# Altium PCB PROC054D_MMWCAS_RF_EVM_ASCII.PcbDoc (part 9 of 13)
Units mil, origin at the board's own origin, x right, y up, seen from the top; angles counter-clockwise.
Board outline 6299.21 x 5370.07 mil, 8 copper layers (L1 TOP, L2 GND, L3 SIGNAL 1, L4 GND, L5 SIGNAL 2, L6 SIGNAL 3, L7 GND, L8 BOTTOM), stack 53.5 mil thick; 775 components, 552 nets, 2648 pads, 7845 vias.
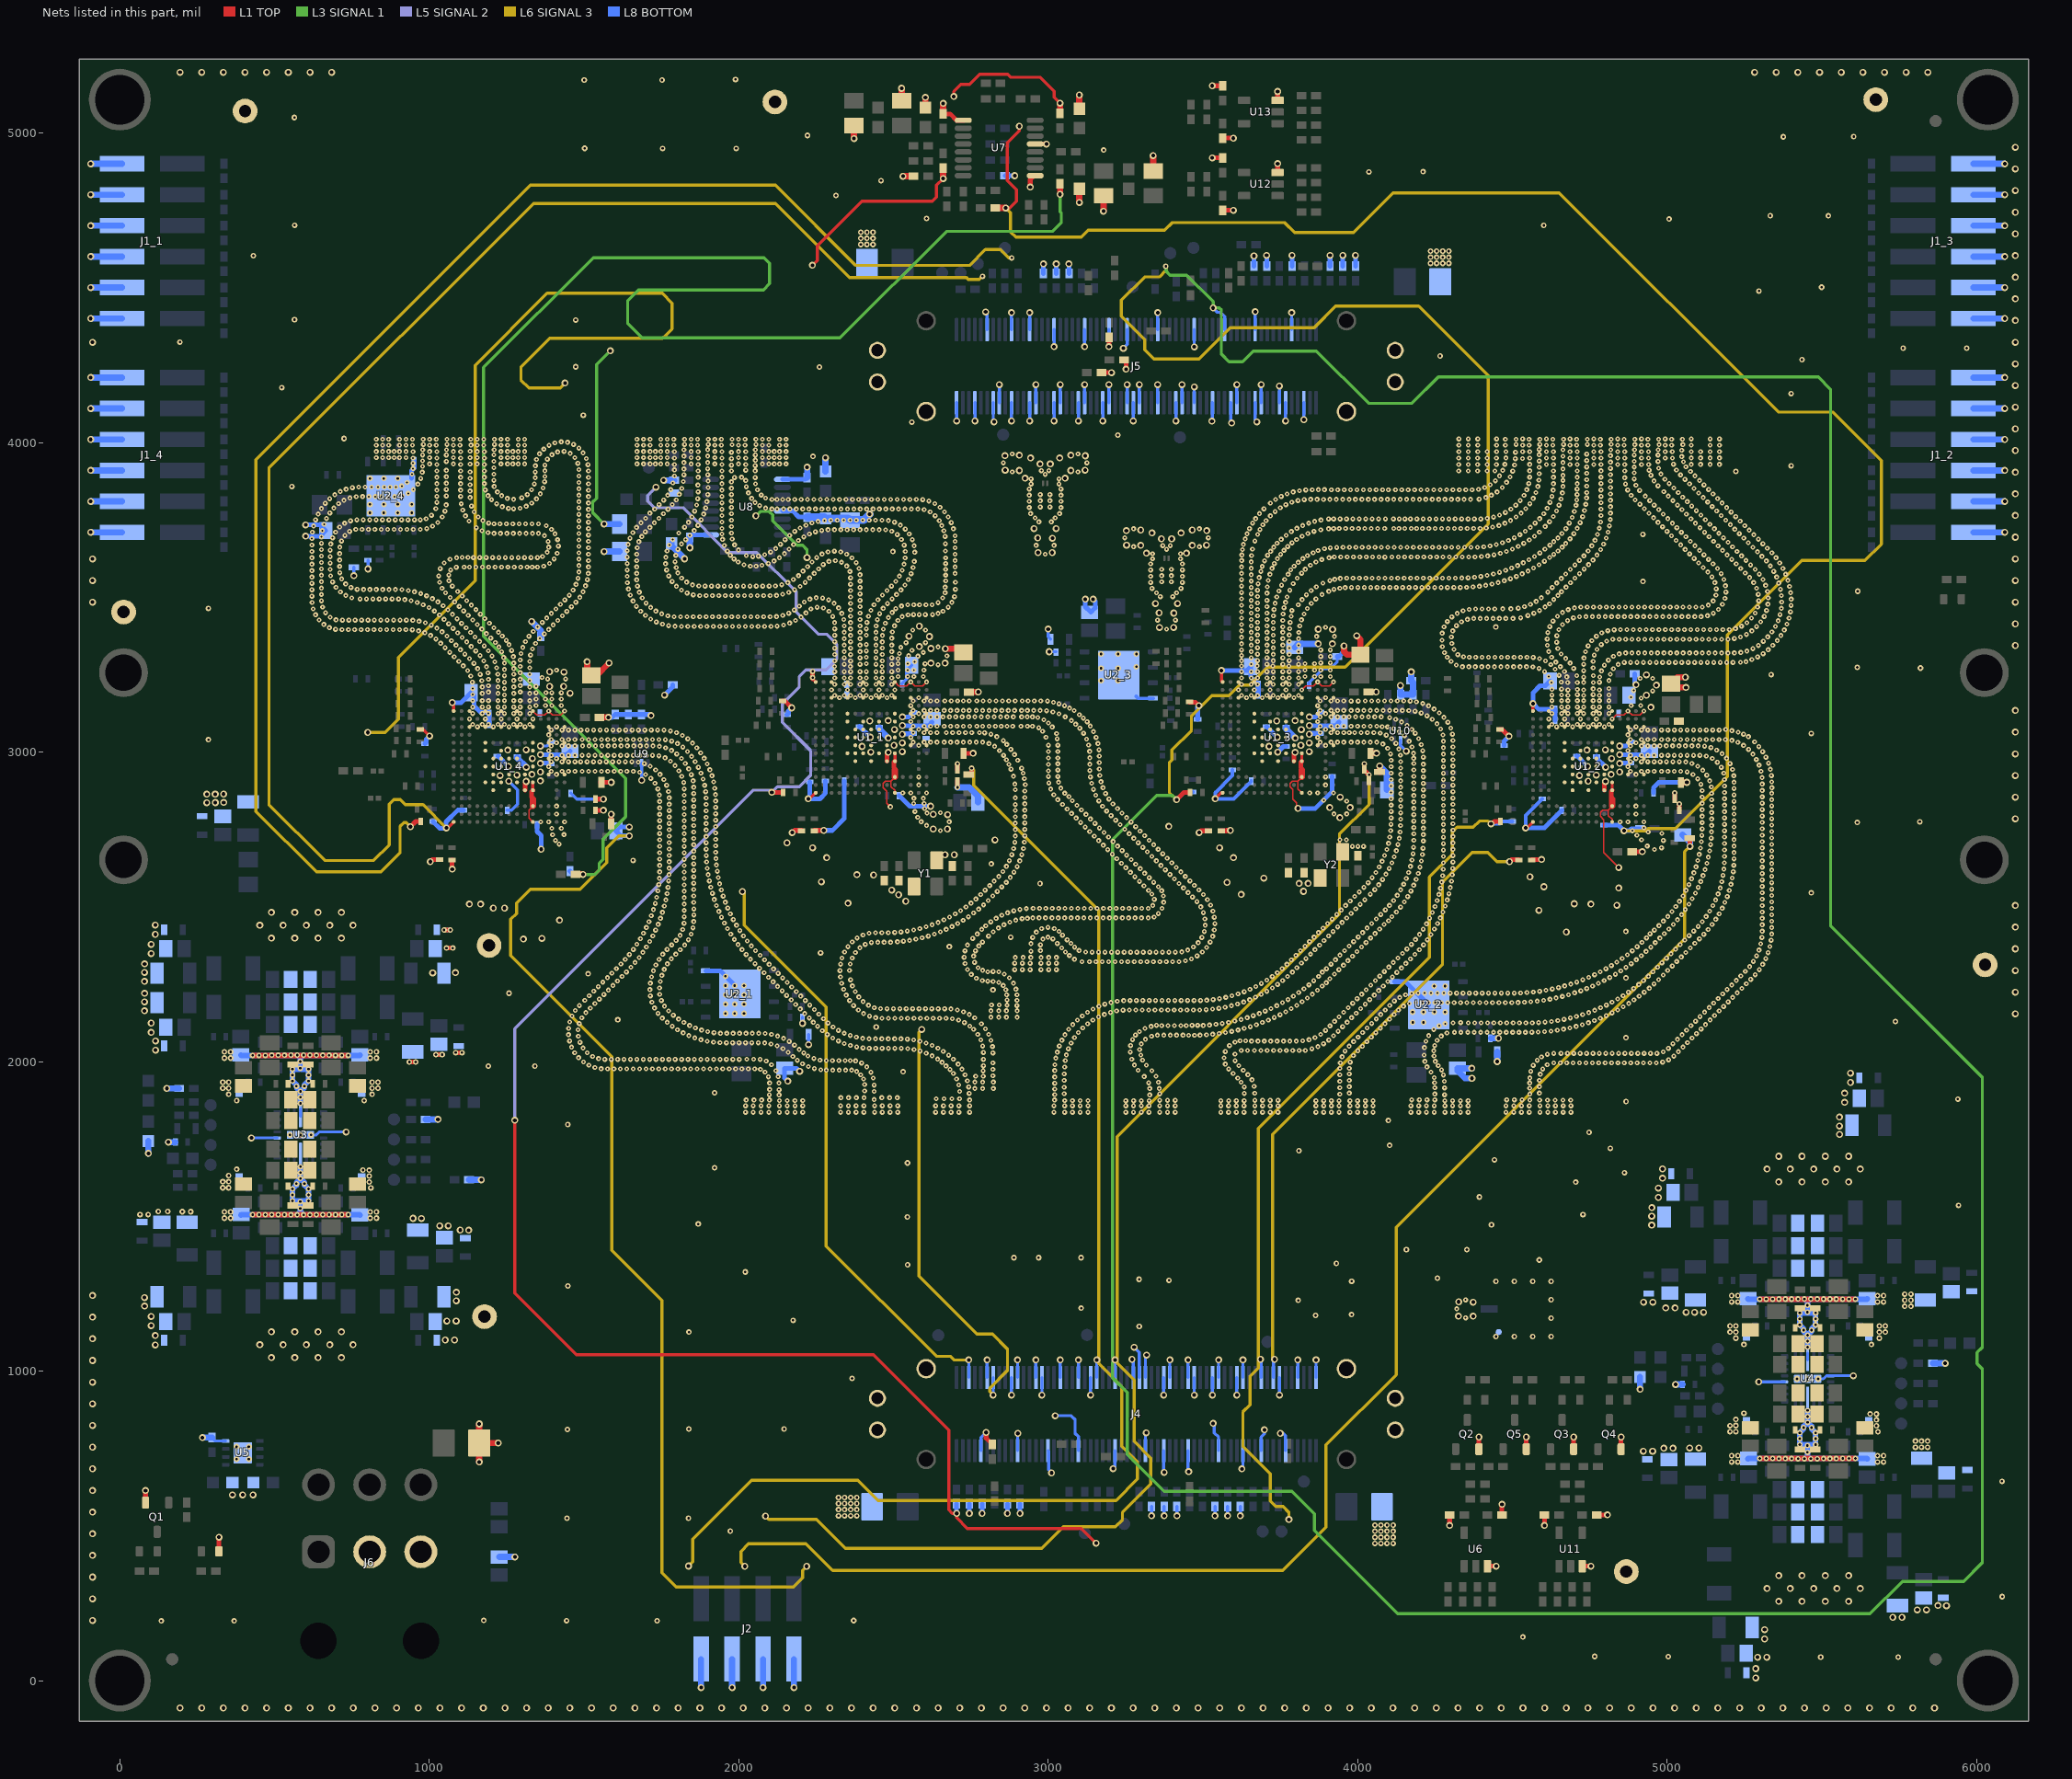
[diagram p15: the nets of this part, all layers, seen from the top]

## Via types
v1: diameter 15.74, hole 5.9, L1 TOP to L2 GND, tented both sides, 5522 vias
v2: diameter 22.4, hole 12.2, L1 TOP to L8 BOTTOM, tented both sides, 1522 vias
v3: diameter 18, hole 8, L1 TOP to L8 BOTTOM, tented both sides, 727 vias
v4: diameter 18, hole 7.87, L1 TOP to L8 BOTTOM, tented top, 50 vias
v5: diameter 24, hole 12, L1 TOP to L8 BOTTOM, tented both sides, 13 vias
v6: diameter 19.68, hole 7.87, L1 TOP to L8 BOTTOM, tented top, 10 vias
v7: diameter 15.74, hole 5.9, L1 TOP to L2 GND, tented top, 1 vias

## Nets (pads, with @x,y where several pads share a name; then routed paths per layer and width w, separated by ;. In a path a pad name is that pad's centre, name@x,y a point inside that pad or via, vN(x,y) a via of type N, cw(c..) or ccw(c..) an arc to the next point about the centre after c; other vN are vias at no path point) (continued)
GND: (continued)
  other v1: 4302.03,3293.21 4761.3,3293.07 2361.36,3294.31 4607.12,3294.44 1176.12,3294.76 2310.19,3294.52 2463.73,3294.69 3625,3295 3727.55,3295.32 3778.73,3295.48 3676.36,3295.67 4810.13,3296.99 1293.92,3297.69 5273.94,3299.28 1129.92,3301.76 2514.91,3302.12 4588,3302.28 4672.25,3302.38 2340.87,3304.39 2392.04,3304.39 2443.23,3304.39 2494.41,3304.39 3655.87,3304.39 3707.04,3304.39 3758.23,3304.39 3809.41,3304.39 4731.5,3304.16 1240.19,3305.75 2412.55,3306.28 4360.98,3306.4 4381.65,3306.4 4402.32,3306.4 4422.99,3306.4 4443.66,3306.4 4464.33,3306.4 4485,3306.4 4505.67,3306.4 4526.34,3306.4 4547.01,3306.4 4567.67,3306.06 4627.18,3306.36 4289.5,3306.5 5292.9,3307.5 1080.42,3307.88 1271.44,3308.32 4342,3308 3881.09,3308.94 3911.77,3308.94 1202.52,3310.38 2579.46,3310.11 4826.52,3309.57 2549.28,3311.33 2672.88,3311 1164.35,3311.76 3625,3312 4764.92,3313.42 1326.93,3313.59 2310.19,3315.19 2361.36,3314.98 2463.73,3315.36 4323.73,3314.9 1115.3,3316.38 3676.36,3316.34 3727.55,3315.99 3778.73,3316.15 4657.68,3317.04 1296.54,3318.19 4845.59,3317.55 5310.67,3318.07 2519.3,3318.51 4866.07,3320.39 4886.74,3320.4 4907.41,3320.4 4928.08,3320.4 4948.75,3320.4 4969.42,3320.4 4990.09,3320.4 5010.76,3320.4 5031.43,3320.4 5052.1,3320.4 5072.77,3320.4 5093.44,3320.4 5114.11,3320.4 5134.78,3320.4 5155.45,3320.4 5176.12,3320.4 5196.79,3320.4 5217.46,3320.4 2596.3,3322.1 4280.75,3321.51 5238.08,3321.78 1065.8,3322.5 1233.97,3323.98 4736.21,3324.29 2340.87,3325.06 2392.04,3325.06 2443.23,3325.06 2494.41,3325.06 3655.87,3325.06 3707.04,3325.06 3758.23,3325.06 3809.41,3325.06 4617.8,3324.78 5258.24,3326.37 1150.09,3326.71 2412.55,3326.95 1191.01,3327.55 1266.15,3328.31 2559.91,3329.05 3625.19,3329.64 3881.09,3329.61 3911.77,3329.61 1100.69,3330.99 5326.95,3330.81 4311.43,3331.51 4773.84,3332.07 1333.33,3333.24 5277.42,3334.05 4646.86,3334.65 2310.19,3335.86 2361.36,3335.65 2463.94,3336.02 1051.18,3337.12 3676.36,3337.01 3727.55,3336.66 3778.73,3336.82 1302.22,3338.06 2523.91,3338.46 1225.21,3339.7 2644,3339.89 1135.47,3341.33 4273.84,3340.99 1177.23,3342.95 4744.67,3343.14 4613.08,3344.9 5295.17,3344.65 5341.75,3345.24 1086.07,3345.61 2340.87,3345.73 2392.04,3345.73 2443.23,3345.73 2494.41,3345.73 3655.87,3345.73 3707.04,3345.73 3758.23,3345.73 3809.41,3345.73 1257.52,3347.09 2412.55,3347.62 4787.42,3347.65 3625.19,3350.31 1343.4,3351.29 4304.52,3350.99 1036.57,3351.73 2540.8,3353.49 1213.52,3353.77 2603.43,3353.58 4643.23,3355 1120.85,3355.95 2361.36,3356.32 2463.73,3356.03 1310.81,3356.86 2310.19,3356.53 3727.55,3357.33 3778.73,3357.49 1162.61,3357.57 3676.36,3357.68 5311.03,3357.9 4804.88,3358.72 1071.45,3360.23 4756.59,3360.03 5355.82,3360.38 1249,3361 4272.55,3361.62 4824.81,3364.21 1021.15,3365.5 4845.47,3364.72 4866.14,3364.72 4886.81,3364.72 4907.48,3364.72 4928.15,3364.72 4948.82,3364.72 4969.49,3364.72 4990.16,3364.72 5010.83,3364.72 5031.5,3364.72 5052.17,3364.72 5072.84,3364.72 5093.51,3364.72 5114.18,3364.72 5134.85,3364.72 5155.52,3364.72 5176.19,3364.72 5196.86,3364.75 2340.87,3366.4 2392.04,3366.4 2443.23,3366.4 3655.87,3366.4 3707.04,3366.4 3758.23,3366.4 3809.41,3366.4 4612.55,3365.57 1356.76,3367.07 5217.43,3366.81 1198.9,3368.39 2494.41,3367.88 1106.24,3370.56 3625.19,3370.98 1147.99,3372.19 4303.23,3371.62 5237.41,3372.09 5325.61,3372.56 1322.13,3374.16 3867.54,3374 3925.32,3374 4771.56,3374.29 1056.84,3374.84 1236,3375 4643.91,3375.66 1003.94,3376.95 2310.19,3377.29 2361.36,3377.02 2464.04,3376.7 5368.24,3376.9 2412.55,3377.64 3676.36,3378.35 3727.55,3378 3778.77,3378.16 5256.32,3380.44 1371.38,3381.69 1184.29,3383 4273.49,3384.45 1091.62,3385.18 4789.11,3385.21 985.27,3385.81 4614.64,3386.13 1133.38,3386.8 1223.45,3387.22 2340.87,3387.07 2392.04,3387.07 2443.23,3387.07 3655.87,3387.07 3707.04,3387.07 3758.23,3387.07 3809.92,3387.06 2496.7,3388.42 5338.86,3388.43 1041.41,3388.6 1335.89,3389.58 965.52,3391.92 3625.19,3391.65 4307.31,3391.88 4808.52,3392.32 5273.68,3391.67 2562.57,3394.44 2603.42,3394.43 945.1,3395.14 4650.08,3395.38 4828.97,3395.31 4849.64,3395.4 4870.31,3395.4 4890.98,3395.4 4911.65,3395.4 4932.32,3395.4 4952.99,3395.4 4973.66,3395.4 4994.33,3395.4 5015,3395.4 5035.67,3395.4 5056.34,3395.4 5077.01,3395.4 5097.68,3395.4 5118.35,3395.4 5139.02,3395.4 5159.69,3395.4 5180.36,3395.4 5378.83,3394.65 717.74,3395.66 738.41,3395.66 759.08,3395.66 779.75,3395.66 800.42,3395.66 821.09,3395.66 841.76,3395.66 862.43,3395.66 883.1,3395.66 903.77,3395.66 924.44,3395.66 1385.99,3396.3 5201.03,3395.64 697.09,3396.64 2467.23,3397.12 3382.46,3397.41 1169.67,3397.62 2310.19,3397.96 2361.36,3397.69 2412.58,3398.31 3676.36,3399.02 3727.55,3398.67 3780.31,3398.78 5221.39,3399.18 1024.47,3400.44 1077.01,3399.79 1118.76,3401.42 677.19,3402.22 1208.84,3401.83 3896.43,3402.88 1350.51,3404.2 4279.26,3404.3 3758.23,3404.87 5289.08,3405.45 1794,3406.49 1814.67,3406.34 1835.34,3406.34 1856.01,3406.34 1876.68,3406.34 1897.35,3406.34 1918.02,3406.34 1938.69,3406.34 1959.36,3406.34 1980.03,3406.34 2000.7,3406.34 2021.37,3406.34 2042.04,3406.34 2062.71,3406.34 2083.38,3406.34 2104.05,3406.34 4621.07,3405.77 5350,3405.83 2124,3407 5240.6,3406.82 2340.87,3407.74 2392.04,3407.74 2443.88,3407.73 2503.47,3407.95 3655.87,3407.74 3707.04,3407.74 3812.92,3407.51 1773.44,3408.63 4319.29,3408.73 1006.25,3410.21 1400.61,3410.92 2144.96,3410.74 659.21,3412.42 1155.06,3412.24 3625.19,3412.32 4662.09,3412.2 1753.31,3413.31 5387.48,3413.42 1062.39,3414.41 1104.15,3416.03 1194.22,3416.45 2164.71,3416.84 2473.77,3416.73 987.01,3417.75 2361.36,3418.36 5257.83,3418.24 1365.12,3418.81 2309.82,3418.62 2414.45,3418.89 3727.55,3419.34 3782.1,3419.1 1733.91,3420.44 3676.36,3419.69 4335.92,3421 5302.86,3420.86 4289.91,3422.02 967.01,3422.98 4631.55,3423.59 2183.51,3425.44 4678.3,3425.04 5358.87,3424.51 719.17,3426.34 739.84,3426.34 760.51,3426.34 781.18,3426.34 801.85,3426.34 822.52,3426.34 843.19,3426.34 863.86,3426.34 884.53,3426.34 905.2,3426.34 925.87,3426.34 946.54,3425.81 1415.22,3425.53 2514.37,3425.51 3353.57,3426.29 3411.35,3426.29 3758.23,3425.54 644.17,3426.59 1140.44,3426.85 3818.56,3427.4 698.54,3427.55 2339.36,3428.35 2392.04,3428.41 2447.97,3427.99 3655.87,3428.41 3707.04,3428.41 1047.78,3429.02 4355.06,3428.82 1715.54,3429.91 1089.53,3430.65 1179.61,3431.07 4375.52,3431.71 4396.19,3431.72 4416.86,3431.72 4437.53,3431.72 4458.2,3431.72 4478.87,3431.72 4502,3432 1379.74,3433.43 3625.19,3432.99 5272.72,3432.57 5394.09,3433.01 4527,3434 4697.09,3433.64 2483.48,3434.98 679.51,3435.63 2201.04,3436.39 1791.19,3437.37 1811.86,3437.02 1832.53,3437.02 1853.2,3437.02 1873.87,3437.02 1894.54,3437.02 1915.21,3437.02 1935.88,3437.02 1956.55,3437.02 1977.22,3437.02 1997.89,3437.02 2018.56,3437.02 2039.23,3437.02 2059.9,3437.02 2080.57,3437.02 2101.24,3437.02 4304.55,3436.6 2121.9,3437.8 2303.88,3438.42 2528,3438 4717.39,3437.52 4738.06,3437.72 4758.73,3437.72 4779.4,3437.72 4800.07,3437.72 4820.74,3437.72 4841.41,3437.72 4862.08,3437.72 4882.75,3437.72 4903.42,3437.72 4924.09,3437.72 4944.76,3437.72 4965.43,3437.72 4986.1,3437.72 5006.77,3437.72 5027.44,3437.72 5048.11,3437.72 5068.78,3437.72 5089.45,3437.72 5110.12,3437.73 5313.82,3438.38 2361.36,3439.03 2419.25,3439 3785.09,3438.88 4645.57,3438.78 1429.84,3440.15 1770.75,3440.42 3676.36,3440.36 3727.96,3440 1125.83,3441.47 4550.11,3441.23 5130.58,3440.67 1698.49,3441.59 2142.19,3441.71 1032.71,3443.17 2547,3443 632.51,3443.66 2565,3444 2583,3444 2603,3444 2626,3444 5365.32,3444.14 1074.91,3445.27 1164.99,3445.68 3759.18,3446.19 3826.75,3446.38 1751.01,3446.54 2455.66,3447.18 1394.36,3448.05 2333.23,3448.1 2644,3448 4321.68,3448.18 2161.61,3448.79 2392.04,3449.08 3655.87,3449.08 3707.04,3449.08 4569.45,3448.52 5149.64,3448.67 5284.88,3449.29 664.7,3450.05 2217.01,3449.51 2496.09,3451.36 4662.15,3451.12 5398.59,3453.18 3625.19,3453.66 1444.45,3454.76 1683.01,3455.29 2291.39,3454.89 2660,3455 1016.37,3455.84 1111.21,3456.08 1732.42,3455.57 4340.6,3456.49 3787.63,3457.45 2426.88,3458.21 4587.94,3457.75 5321.59,3457.54 2179.65,3458.88 1060.18,3459.77 1150.38,3460.3 2361.36,3459.7 4680.65,3460.34 3676.36,3461.03 3729.96,3460.57 4360.72,3461.25 5166.07,3461.22 2233.23,3462.32 4381.36,3462.4 4402.03,3462.4 4422.7,3462.4 4443.37,3462.4 624.65,3462.78 1408.97,3462.66 2507.43,3463.47 4469,3463 4495,3463 3837.34,3464.13 5369.24,3464.44 2273.6,3465.41 2466.7,3464.65 4519.13,3465.08 2322.71,3465.89 4700.49,3466.15 998.89,3466.87 1715.41,3467.32 3762.02,3466.66 655.07,3468.34 2253.1,3468.03 2677,3468 4721.04,3468.38 4741.71,3468.4 4762.38,3468.4 4783.05,3468.4 4803.72,3468.4 4824.39,3468.4 4845.06,3468.4 4865.73,3468.4 4886.4,3468.4 4907.07,3468.4 4927.74,3468.4 4948.41,3468.4 4969.08,3468.4 4989.75,3468.4 5010.42,3468.4 5031.09,3468.4 5051.76,3468.4 5072.43,3468.4 5093.1,3468.4 5292.81,3468.38 1459.07,3469.38 4605.38,3468.84 5113.76,3468.64 2392.04,3469.75 3655.87,3469.75 3707.04,3469.75 4539.21,3469.96 1096.6,3470.7 1669.46,3470.91 2195.85,3471.72 2526,3472 1044.46,3473.19 3625.19,3474.33 5400.92,3473.72 1135.76,3474.91 5133.5,3474.78 980.43,3476.17 2437.18,3476.13 2546,3476 2566,3476 2584,3476 2605,3476 2625,3476 3808.35,3475.9 1423.59,3477.28 4558.56,3477.24 5178.8,3477.5 5325.92,3477.75 4620,3479 2361.36,3480.37 2480.62,3479.93 3850.16,3480.35 2308.34,3480.74 3733.62,3480.92 1700.4,3481.53 3676.36,3481.7 620.94,3483.12 2644,3483 961.16,3483.64 1473.52,3484.16 2689,3484 3767,3484 1027.67,3485.23 1081.98,3485.32 2211.6,3485.11 5370.58,3485.06 4576.88,3486.82 1658.22,3488.25 5149.13,3488.3 651.37,3488.67 941.26,3489.23 5296.09,3488.79 1121.15,3489.53 2392.04,3490.42 3655.87,3490.42 3707.04,3490.42 1438.2,3491.89 2290.74,3491.58 2449.94,3492.39 920.91,3492.88 3820.4,3492.69 4634,3493 2230.11,3494.32 5401.09,3494.39 776.29,3494.66 796.96,3494.66 817.63,3494.66 838.3,3494.66 858.97,3494.66 879.64,3494.66 900.31,3494.55 2495.24,3494.55 3625.19,3495 3864.99,3494.75 1009.92,3495.82 5187.02,3496.47 749.35,3498.36 1688.01,3498.08 2270.98,3497.66 2659,3498 5326.71,3498.4 2250.33,3498.59 4593.9,3498.54 1067.37,3499.93 1486.29,3500.41 2361.36,3501.04 3738.91,3500.9 3772.01,3501.01 2697,3502 3362.42,3502.01 3402.5,3502.01 3676.36,3502.37 620.66,3503.78 1106.53,3504.15 991.34,3504.88 730.13,3505.96 1873.79,3505.75 1894.46,3505.72 1915.13,3505.72 1935.8,3505.72 1956.47,3505.72 1977.14,3505.72 1997.81,3505.72 2018.48,3505.72 2039.15,3505.72 2059.82,3505.72 2080.49,3505.72 2101.16,3505.72 2122,3506 4647,3506 5369.55,3505.71 1452.55,3506.77 1649.49,3506.99 2464.44,3507.13 5158.07,3506.94 1853.25,3508.1 3834.21,3508.07 651.34,3509.34 2509.85,3509.16 3885,3509 5294.77,3509.41 2142.07,3510.01 2392.04,3511.09 3655.87,3511.09 972.06,3512.34 3707.04,3513.43 1833.46,3514.05 1052.75,3514.55 2667,3515 3349.86,3514.57 3415.05,3514.58 5399.37,3514.99 2161.85,3516 3625.19,3515.67 712.88,3517.36 1678.7,3516.53 4614.34,3517.2 5190.19,3516.89 952.22,3518.15 1496.86,3518.18 4658.71,3518.19 1091.92,3518.76 3906.68,3519.48 5324.2,3518.92 3745.8,3520.39 931.97,3522.27 2361.36,3521.71 2479.05,3521.74 3849.63,3521.83 1464.71,3523.49 1815.03,3523.42 3676.56,3523.04 3781,3523 620.66,3524.45 2180.71,3524.46 2524.31,3523.93 787.43,3525.34 808.1,3525.34 828.77,3525.34 849.44,3525.34 870.11,3525.34 890.78,3525.34 911.44,3524.67 766.77,3526 2700,3526 3923.33,3525.81 5366.4,3526.14 1643.46,3526.76 5159.1,3527.59 1041.14,3529.44 3335.76,3528.76 3429.15,3528.77 3942.54,3529.46 5289.34,3529.36 651.34,3530.01 698.41,3532.12 746.95,3531.86 2392.04,3531.76 3655.87,3531.76 3959.59,3531.6 3980.26,3531.72 4000.93,3531.72 4021.6,3531.72 4042.27,3531.72 4062.94,3531.72 4083.61,3531.72 4104.28,3531.72 4124.95,3531.72 4145.62,3531.72 4166.29,3531.72 4186.96,3531.72 4207.63,3531.72 4228.3,3531.72 4248.97,3531.72 4269.64,3531.72 4290.31,3531.72 4310.98,3531.72 4331.65,3531.72 4352.31,3532.23 4628.96,3531.82 2667,3533 4673.32,3532.81 3708.09,3534.07 3866.49,3533.8 4372.93,3533.62 2198.34,3535.24 5395.81,3535.35 1074.44,3536.24 1672.77,3536.33 1798.57,3535.91 1891.41,3536.4 1912.08,3536.4 1932.75,3536.4 1953.42,3536.4 1974.09,3536.4 1994.76,3536.4 2015.43,3536.4 2036.1,3536.4 2056.77,3536.4 2077.44,3536.4 2098.11,3536.4 2493.67,3536.36 3625.19,3536.34 4393.48,3535.89 1505.05,3537.16 1870.74,3536.6 2118.76,3537.12 5188.72,3537.51 3754.24,3539.26 4413.91,3539.04 5318.55,3538.8 2537.23,3540.07 1850.44,3540.51 2139.09,3540.89 1474.04,3541.93 2361.36,3542.38 729.74,3543.32 4434.18,3543.06 3678.31,3543.64 3792,3544 620.66,3545.12 3888,3546 4643.57,3546.44 5361.18,3546.14 1640.23,3547.17 4687.94,3547.42 1033.01,3548.45 2158.57,3547.79 2214.46,3548.18 3331.11,3548.21 3433.81,3548.21 4454.27,3547.94 5154.47,3547.73 5280.02,3547.81 1831.68,3549.19 2700,3549 687.69,3549.79 3366.97,3550.07 3398.22,3550.07 651.34,3550.68 1784.64,3551.19 2392.04,3552.43 2507.59,3551.64 3655.87,3552.43 2668.7,3553.19 1063.46,3553.75 3910,3554 4474.13,3553.68 3711.22,3554.51 5390.46,3555.31 1510.72,3557.03 1670.38,3556.86 3625.19,3557.01 3764.18,3557.38 2176.73,3557.66 2548.13,3557.63 3926,3558 5183.55,3557.52 5309.9,3557.58 717.03,3559.61 4493.72,3560.26 3943.85,3561.12 4658.19,3561.05 1480.31,3561.63 1815.56,3562.13 3805,3562 3964.48,3562.4 3985.15,3562.4 4005.82,3562.4 4026.49,3562.4 4047.16,3562.4 4067.83,3562.4 4088.5,3562.4 4109.17,3562.4 4129.84,3562.4 4150.51,3562.4 4171.18,3562.4 4191.85,3562.4 4212.52,3562.4 4233.19,3562.4 4253.86,3562.4 4274.53,3562.4 4295.2,3562.4 4315.87,3562.4 4336.54,3562.45 4702.55,3562.04 2229.19,3562.68 2361.36,3563.05 4357.19,3563.21 3681.87,3564 5267.21,3564.03 4377.79,3564.92 5353.93,3565.49 620.66,3565.79 5145.04,3566.12 1639.66,3567.84 3331.11,3568.21 3433.81,3568.21 4398.29,3567.56 4513.02,3567.67 681.34,3569.46 1030.23,3568.93 1773.92,3568.86 2519.2,3568.74 2193.13,3570.25 3366.97,3570.07 3398.22,3570.07 651.34,3571.35 4418.65,3571.14 1063,3572 2668.66,3571.76 2392,3573.1 3655.87,3573.1 3716.4,3574.52 3775.55,3574.64 5298.46,3574.79 5383.35,3574.72 2556.84,3576.38 4438.82,3575.65 4531.98,3575.91 4672.8,3575.67 5174.86,3576.28 1513.78,3577.48 2243.81,3577.3 4717.17,3576.66 1670.34,3577.53 2699.34,3577.57 3625.19,3577.68 3819,3578 710.81,3579.33 1803.3,3578.77 5252.6,3578.65 4458.77,3581.07 1483.36,3582.07 5131.5,3581.74 2359.49,3583.64 3687.21,3583.97 5344.73,3584 2207.87,3584.74 4550.57,3584.94 620.66,3586.46 2528.19,3587.35 4478.45,3587.4 1068.84,3588.15 1766.8,3588.27 3331.11,3588.21 3433.81,3588.21 1639.66,3588.51 3783.7,3588.81 679.66,3590.06 2668.66,3590.43 3366.97,3590.07 3398.22,3590.07 4687.42,3590.28 5284.55,3590.08 3830.98,3591.06 4731.79,3591.27 651.34,3592.02 2258.43,3591.91 1035.39,3592.84 2388.55,3593.48 5162.94,3593.16 5237.98,3593.27 5374.53,3593.42 3655.87,3593.77 3723.58,3593.9 4497.81,3594.62 4568.75,3594.76 2563.25,3596.03 5116.88,3596.36 1087.34,3597.36 1798,3596.5 1112.49,3597.67 1129.94,3597.67 1150.61,3597.67 1171.28,3597.67 1191.95,3597.67 1212.62,3597.67 1233.29,3597.67 1253.96,3597.67 1274.63,3597.67 1295.3,3597.67 1315.97,3597.67 1332.59,3597.67 1349.21,3597.66 1514.34,3598.14 1670.34,3598.2 2699.34,3598.24 3625.19,3598.35 2222.49,3599.35 710.34,3599.99 3692,3600 1369.64,3600.8 2037.27,3601 2056,3601 2348.87,3601.38 3795,3601 5333.68,3601.47 1483.66,3602.74 4516.83,3602.71 2075.17,3603.71 3847.31,3603.73 2017.03,3605.17 4586.5,3605.36 4702.03,3604.9 5269.93,3604.69 2273.28,3606.29 4746.4,3605.89 620.66,3607.13 2534.38,3607.07 3331.11,3607.98 3433.81,3607.98 5148.59,3608.03 5223.37,3607.88 1639.66,3609.18 1763.56,3608.68 2095.08,3609.24 2668.66,3609.1 3731.01,3609.01 1388.19,3609.93 679.66,3610.73 1048,3611 5102.27,3610.97 5364.09,3611.26 2379.56,3612.09 4535.46,3611.67 651.34,3612.69 2332.06,3613.39 3808,3613 1998.29,3613.9 2237.1,3613.97 3655.88,3614.44 3865.16,3614.15 1794.04,3615.14 2291.51,3616.03 2567.26,3616.31 2114.06,3617.44 4603.78,3616.7 3699,3618 5320.89,3617.71 1514.34,3618.81 1670.34,3618.87 2312.03,3618.51 2699.34,3618.91 3625.28,3619.02 5255.32,3619.31 4716.65,3619.52 710.34,3620.66 4553.66,3621.47 4760.75,3620.77 3884.22,3622.15 1067,3623 1483.66,3623.41 5133.97,3622.65 5208.75,3622.5 1403.13,3624.2 1985,3624 3337.35,3624.4 3427.61,3624.4 3741,3625 3823,3625 5087.65,3625.59 2537.64,3627.48 620.66,3627.8 1088,3628 1142.51,3628.35 1163.18,3628.35 1183.85,3628.35 1204.52,3628.35 1225.19,3628.35 1245.86,3628.35 1266.53,3628.35 1287.2,3628.35 1307.87,3628.35 1328.54,3628.35 1349.21,3628.35 2131.73,3628.16 2251.9,3628.4 2365.84,3627.55 2668.66,3627.77 3907.62,3627.88 5352.1,3628.09 1106,3629 1125,3629 1764.19,3629.34 4620.56,3628.77 1639.66,3629.85 3924.65,3630.35 4088,3630 679.66,3631.4 2045,3631.34 3945.32,3630.72 3965.99,3630.72 3986.66,3630.72 4007.33,3630.72 4028,3630.72 4048.67,3630.72 4069.34,3630.72 4110.68,3630.72 4131.35,3630.72 4152.02,3630.72 4172.69,3630.72 4193.36,3630.72 4214.03,3630.72 4234.7,3630.72 4255.37,3630.72 4276.04,3630.72 4296.71,3630.72 4317.38,3630.72 4338.05,3630.72 4358.72,3630.72 4379.39,3630.75 1365.46,3632.06 4400.04,3631.67 4571.39,3632.09 651.34,3633.36 2063.68,3632.8 5306.6,3632.65 4420.58,3633.92 4731.26,3634.14 5240.7,3633.93 2024.66,3635 3657.06,3635.08 3838,3635 1796.41,3635.67 1973,3636 3709,3636 3626,3637 4440.94,3637.5 4773.77,3636.82 5119.35,3637.27 5194.13,3637.11 2083.74,3637.77 1514.34,3639.48 2348.84,3639.3 2990.1,3639.42 3751,3639 4634,3639 1670.34,3639.54 2269.08,3639.89 2699.34,3639.58 5073.04,3640.2 710.34,3641.33 2147.77,3641.2 3337.35,3640.67 3427.61,3640.67 1413.11,3642.31 4461.03,3642.37 1483.66,3644.08 3856,3644 4588.62,3643.51 5338.66,3643.8 1380.86,3645.85 2102.66,3646.12 2568.84,3646.02 2288.49,3647 2329.53,3646.69 5291.99,3647.26 620.66,3648.47 2538.13,3648.15 1963.06,3649.14 2309.03,3649.31 3719.01,3649.01 4480.76,3648.53 5226.09,3648.54 1768.37,3649.58 2668,3650 4648,3650 4744.95,3649.62 1639.82,3650.51 3872,3651 679.66,3652.07 3762,3652 5104.74,3651.88 5179.52,3651.73 1999.09,3653.09 651.34,3654.03 3628,3654 4785.25,3654.01 1803.42,3655.12 3382.48,3655.22 3660.23,3655.5 5058.42,3654.82 2162.44,3655.75 4500.05,3655.95 4605.31,3655.7 3893,3657 2119.85,3657.58 5324.13,3658.5 1514.34,3660.15 1671.68,3660.17 2699.34,3660.25 3911.63,3659.88 3932.25,3661.37 3952.92,3661.4 3973.59,3661.4 3994.26,3661.4 4014.93,3661.4 4035.6,3661.4 4056.27,3661.4 4076.94,3661.4 4097.61,3661.4 4118.28,3661.4 4138.95,3661.4 4159.62,3661.4 4180.29,3661.4 4200.96,3661.4 4221.63,3661.4 4242.3,3661.4 4262.97,3661.4 4283.64,3661.4 4304.31,3661.4 4324.98,3661.4 4345.65,3661.4 4366.32,3661.4 710.9,3661.99 1386,3662 3729,3662 4386.98,3661.63 4661,3662 5277.37,3661.88 4407.59,3663.2 5211.47,3663.16 3276.3,3663.67 3488.62,3663.65 3773.88,3664.32 1483.66,3664.75 4518.83,3664.59 1417.25,3665.73 4428.04,3666.22 4756.91,3666.49 5164.9,3666.34 1953.55,3667.49 2566.82,3666.59 3370.48,3667.22 3394.48,3667.22 5090.12,3666.5 2961.21,3668.3 3018.99,3668.3 620.66,3669.14 1775.96,3668.81 2534.71,3668.53 4621.43,3668.65 5043.8,3669.44 1986.56,3669.53 2177.07,3670.36 1642.54,3671 3631,3671 4448.22,3670.7 1814.69,3672.45 2134.98,3671.67 4795.09,3672.19 681.55,3672.66 2668,3673 5309.51,3673.12 4537.01,3674.43 4672.29,3673.9 651.34,3674.7 3740.01,3675.01 3788.01,3675.86 4468.03,3676.6 5262.75,3676.5 5196.85,3677.77 1677.34,3680.05 4634,3680 1384.1,3680.62 1514.34,3680.82 2699.34,3680.92 5075.51,3681.11 5150.29,3680.96 716.27,3681.95 3668,3682 2192.74,3683.84 4487.37,3683.89 5029.19,3684.05 1483.66,3685.42 4554.52,3685.41 4766.98,3684.54 1414.46,3686.21 1786.72,3686.46 2149.6,3686.29 2560.84,3686.38 1829,3686.5 1947.69,3687.31 2525.86,3687.21 3753.32,3687.25 3802.9,3686.94 5294.9,3687.73 1978.81,3688.69 3637,3689 4686.23,3689.16 620.71,3689.81 1648.58,3690.77 4803.2,3691.2 5248.14,3691.11 687.43,3692.47 4647,3692 5182.24,3692.39 3247.42,3692.56 3517.5,3692.54 4506.14,3692.55 651.65,3695.37 2209.92,3695.33 5060.89,3695.73 5135.67,3695.58 1686.5,3696.5 2667,3697 3820.74,3697.37 4571.29,3697.5 1371.95,3699.29 2699.01,3699 5014.57,3698.67 726.93,3699.67 1842.07,3700.37 1514.34,3701.49 2164.6,3700.51 3769.13,3700.56 5280.28,3702.35 2512.24,3702.76 3676.95,3703.28 4524.25,3702.52 4775.06,3703.56 1406.29,3705.2 1945.72,3704.61 2228.36,3704.66 